# KiCad board CawDrive_panel.kicad_pcb (continued)
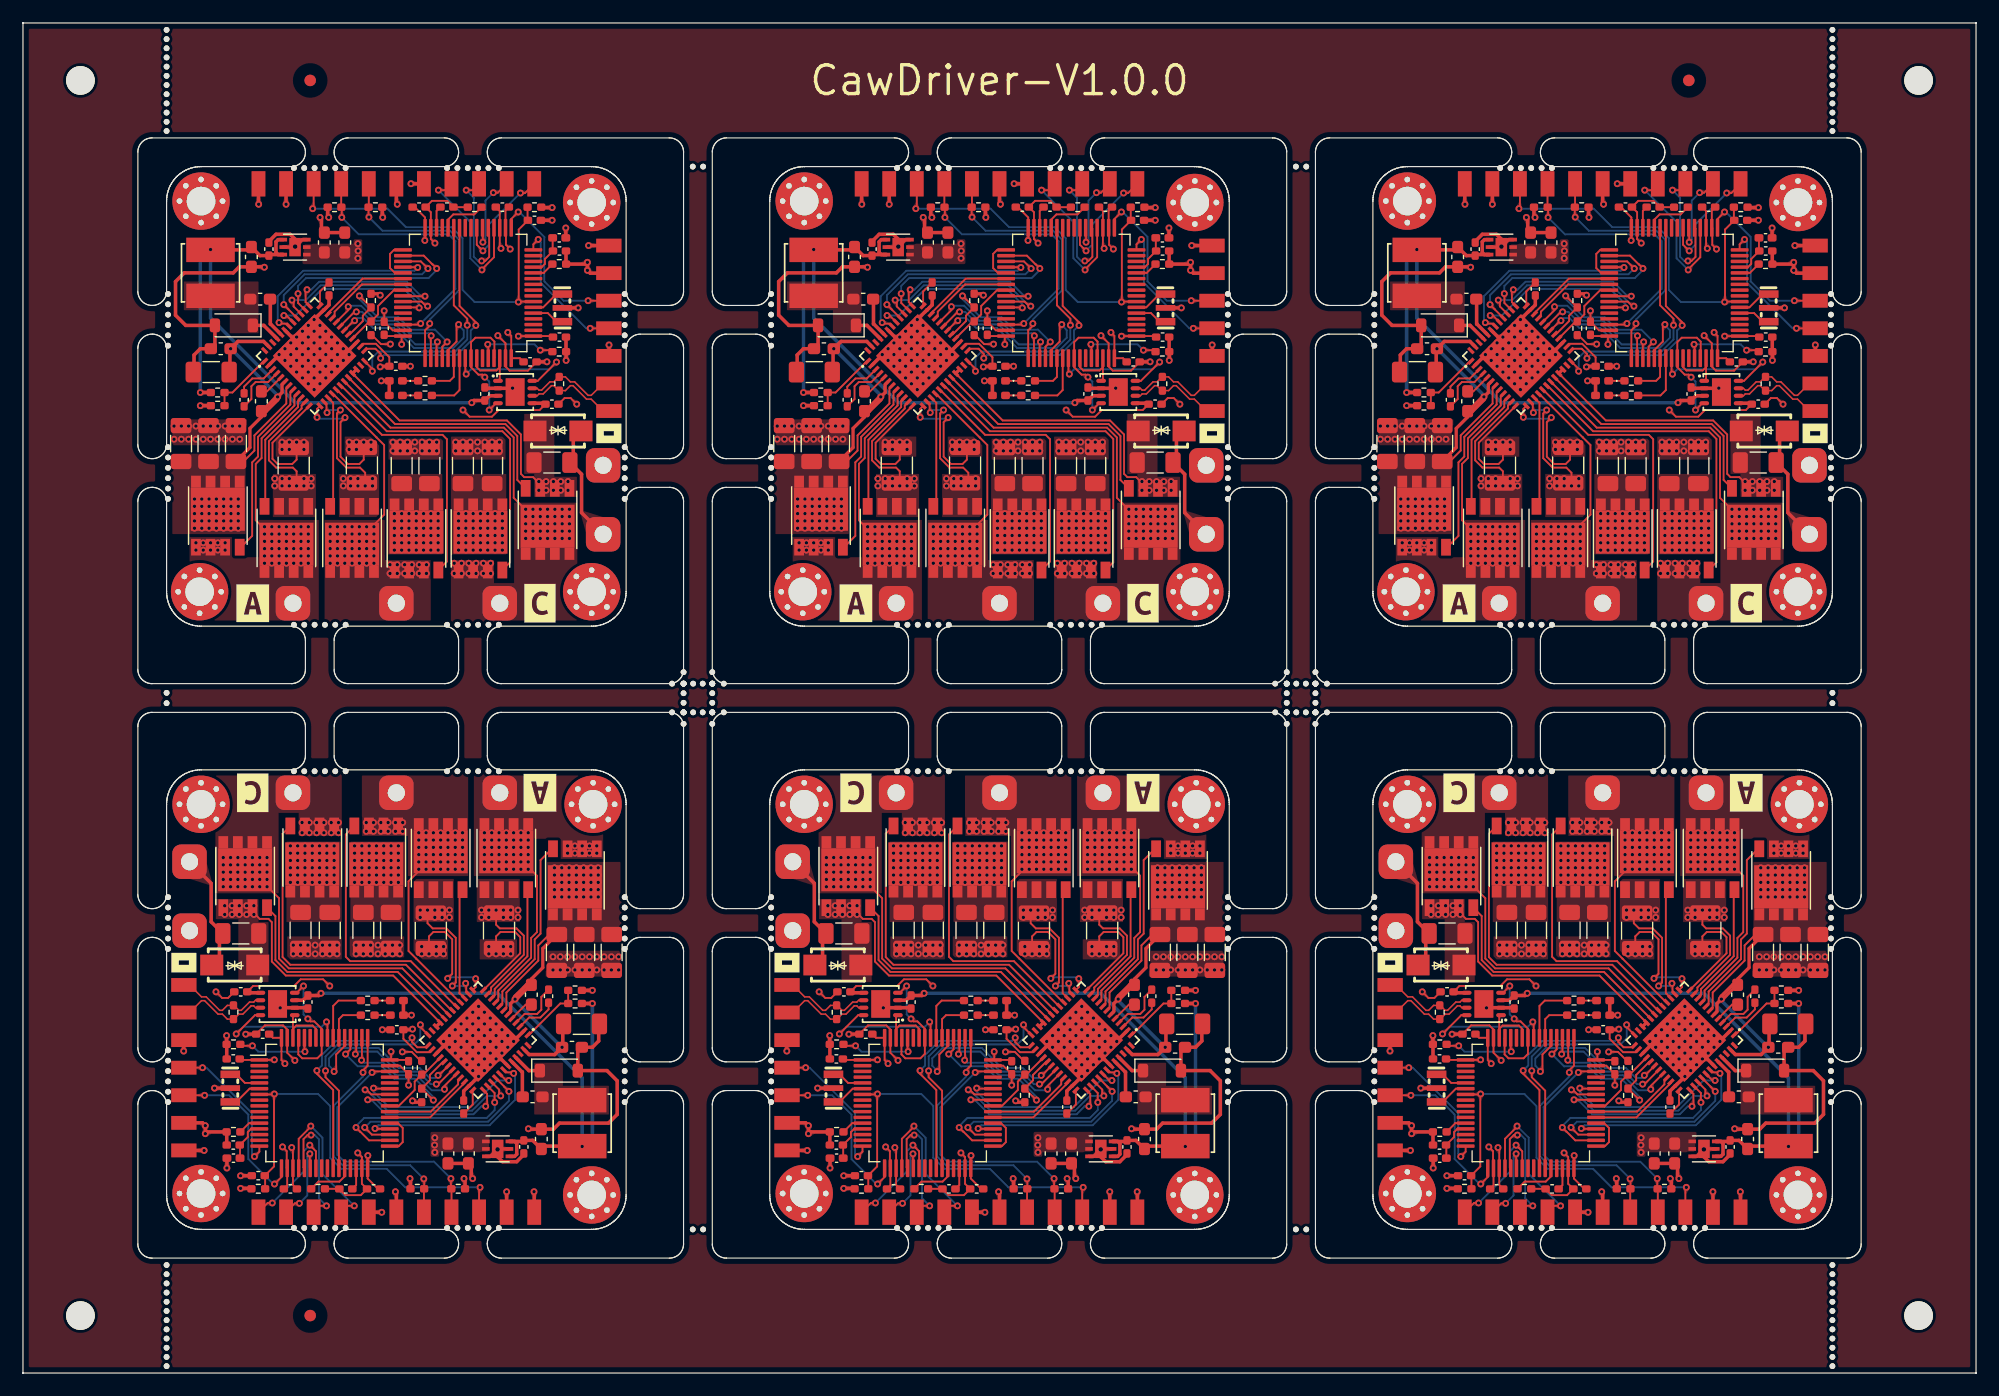
[diagram p0: board, top side]
## Routing (per net, layer and track width the routed paths; a pad name or vN(x,y) marks a point on that pad's centre or on a via; arc(x,y) is an arc through that point) (continued)
Board_0-/SPI3_MOSI: length 16.9
  Top w0.16: U5#2.30 28.81,91.6 v1(28.87,91.6) ; v1(37.92,91.26) 37.74,91.08 37.74,89.77 37,89.03 U1#3.53
  Bottom w0.16: v1(37.92,91.26) 37.92,91.19 38.36,90.75 38.36,90.12 37.45,89.21 34.03,89.21 32.29,90.95 30.48,90.95 29.61,91.81 29.09,91.81 v1(28.87,91.6)
Board_0-/SPI3_NSS: length 12.1
  Top w0.16: v1(35.53,90.28) 35.5,90.24 U1#3.50 ; U5#2.32 28.31,92.51 v1(28.31,92.81)
  Bottom w0.16: v1(28.31,92.81) 28.39,92.89 29.42,92.89 30.73,91.58 32.55,91.58 33.63,90.5 35.31,90.5 v1(35.53,90.28)
Board_0-/SPI3_SCK: length 11.7
  Top w0.16: U1#3.51 36,89.67 v1(36.07,89.74) ; v1(29.02,92.36) 28.86,92.36 27.62,91.12 U5#2.31
  Bottom w0.16: v1(36.07,89.74) 35.85,89.52 34.16,89.52 32.42,91.27 30.6,91.27 29.51,92.36 v1(29.02,92.36)
Board_0-/SWCLK: length 23.1
  Top w0.16: v1(35.4,91.34) 35.4,91.15 35,90.75 U1#3.49 ; J1#6.5 30.1,101.49 R6#2.1 30.08,100.63 v1(30.11,100.6)
  Bottom w0.16: v1(35.4,91.34) 35.4,91.69 37.95,94.23 37.95,98.64 37.17,99.42 31.29,99.42 v1(30.11,100.6)
Board_0-/SWDIO: length 23.7
  Top w0.16: v1(34.61,91.34) 34.52,91.25 U1#3.46 ; v1(27.75,100.58) 27.75,101.43 R5#3.1 27.7,101.48 J1#6.4
  Bottom w0.16: v1(27.75,100.58) 29.22,99.11 37.04,99.11 37.64,98.51 37.64,94.36 v1(34.61,91.34)
Board_0-/TIM1_BKIN: length 3.8
  Top w0.16: U1#3.37 32.37,95.75 31.95,96.17 31.95,97.4 32.29,97.75 U1#3.33
Board_0-/TIM1_PWM_CH1: length 14.6
  Top w0.16: U1#3.41 33.78,93.75 33.81,93.72 v1(34.99,93.72) ; v1(24.72,94.29) 24.6,94.16 24.6,93.2 U5#2.37
  Bottom w0.16: v1(24.72,94.29) 25.09,94.29 25.78,94.98 33.4,94.98 34.66,93.72 v1(34.99,93.72)
Board_0-/TIM1_PWM_CH1N: length 18.5
  Top w0.16: U5#2.38 24.55,92.53 23.95,93.13 23.95,93.94 v1(23.94,93.94) ; U1#3.34 34.88,97.25 35.64,96.49 35.65,96.49 v1(36.01,96.13)
  Bottom w0.16: v1(23.94,93.94) 23.94,94.61 24.62,95.29 35.3,95.29 36.01,96.01 v1(36.01,96.13)
Board_0-/TIM1_PWM_CH2: length 16.9
  Top w0.16: v1(23.42,93.38) 23.56,93.23 23.56,92.83 U5#2.39 ; v1(35.22,92.85) 35.09,92.85 34.69,93.25 U1#3.42
  Bottom w0.16: v1(35.22,92.85) 35.09,92.85 33.28,94.67 25.91,94.67 24.62,93.38 v1(23.42,93.38)
Board_0-/TIM1_PWM_CH2N: length 18.4
  Top w0.16: v1(22.7,92.99) 23.11,92.58 23.11,92.57 U5#2.40 ; v1(35.25,96.13) 34.63,96.75 U1#3.35
  Bottom w0.16: v1(22.7,92.99) 22.7,93.81 24.51,95.62 34.74,95.62 35.24,96.13 v1(35.25,96.13)
Board_0-/TIM1_PWM_CH3: length 16.1
  Top w0.16: U1#3.43 34.44,92.75 v1(34.49,92.7) ; v1(22.71,92.04) 22.93,92.04 U5#2.41
  Bottom w0.16: v1(22.71,92.04) 23.73,92.04 26.04,94.35 33.15,94.35 34.49,93.02 v1(34.49,92.7)
Board_0-/TIM1_PWM_CH3N: length 17.9
  Top w0.16: U1#3.36 34.11,96.25 34.15,96.22 v1(34.36,96.22) ; v1(22.29,91.42) 22.38,91.33 22.94,91.33 U5#2.42
  Bottom w0.16: v1(34.36,96.22) 34.08,95.94 24.38,95.94 22.16,93.72 22.16,91.54 v1(22.29,91.42)
Board_0-/USART2_RX: length 15
  Top w0.16: J4#3.3 49.19,93.33 v1(49.19,93.33) ; U1#3.17 42.5,100.44 v1(43.11,101.05)
  Bottom w0.16: v1(49.19,93.33) 47.06,93.33 45.38,95.01 45.38,98.88 43.21,101.05 v1(43.11,101.05)
Board_0-/USART2_TX: length 12.5
  Top w0.16: v1(49.37,90.93) J4#3.4 ; v1(44.85,98.66) 44.42,98.23 U1#3.16
  Bottom w0.16: v1(44.85,98.66) 45.07,98.44 45.07,94.88 49.02,90.93 v1(49.37,90.93)
Board_0-GND: length 125.8
  Top w0.16: v1(31.44,92.45) C5#5.2 32.18,90.75 U1#3.47 ; v1(44.9,76.83) 44.9,77.47 44.4,77.97 43.63,77.97 43.34,78.26 43.34,81.69 42.12,82.9 32.78,82.9 U5#2.21 ; v1(48.2,84.32) 47.67,84.85 47.14,84.85 C9#5.1 ; R18.2 23.82,80.28 23.82,79.5 23.44,79.12 22.17,79.12 21.72,79.56 21.72,80.97 U5#2.12 ; R3#4.2 37.48,101.47 C1#6.2 36.92,102.02 35.6,102.02 C4#5.2 35.5,101.03 U1#3.31 35.5,98.7 v1(35.86,98.34) ; v1(41.33,90.29) 42,89.62 U1#3.63 42,87.6 42.36,87.24 43.94,87.24 C6.2 ; v1(25.6,83.18) 25.6,83.92 U5#2.13 ; R19#2.2 29.66,80.39 29.66,79.5 29.28,79.12 28.28,79.12 27.64,79.75 27.64,82.76 v1(28.03,83.16) ; C3.2 42,101.18 U1#3.18 42.04,99.63 42.04,98.19 v1(42.41,97.82)
  Top w0.279: C32#3.2 v1(33.72,87.62) ; U5#2.22 U5#2.21
  Top w0.305: U5#2.2 22.29,88.61 v1(22.29,88.64) ; R6#2.2 31.27,100.62 v1(31.31,100.58) ; C7.2 21.41,98.49 22.03,99.11 23.26,99.11 23.68,98.68 U2#3.7 U2#3.5 ; v1(28.39,88.64) 28.39,89.05 U5#2.27 ; C31#4.2 26.64,92.96 U5#2.35 26.18,92.53 v1(25.34,91.69) ; v1(45.61,88.01) 45.61,88 C6.2 ; v1(23.82,90.16) 23.4,90.16 U5#2.43 ; v1(33.77,103.51) 33.78,103.5 J1#6.7 ; C14.2 45.09,100.33 v1(46.06,100.33) ; v1(21.01,96.24) 20.97,96.28 C16#4.2 18.83,96.28 18.3,95.75 14.04,95.75 13.28,94.99 13.28,92.07 14.17,91.18 D3#6.2 16.71,89.5 C33.2 15.44,89.15 14.89,88.6 14.89,87.12 ; C12#3.1 40.28,85.7 U3#2.2 42.6,85.7 v1(42.61,85.72) ; R14#4.2 v1(15.44,84.19) ; v1(48.33,92.7) 46.81,92.7 ; J4#3.5 51.01,88.54 v1(51.01,89.48) ; J4#3.2 49.37,95.73 v1(49.13,95.97) v1(49.13,96.67) 48.97,96.51 R2#2.2 47.27,96.52 C8#3.2 ; v1(47.28,88.13) R1#2.1 47.27,88.9 C2.2 ; 28.01,99.25 26.23,99.25 25.98,99.51 25.98,100.46 v1(25.86,100.58) ; v1(22.9,101.72) J1#6.2 ; U5#2.49 v1(25.34,88.64) ; v2(23.69,98.04) 24.3,98.64 U2#3.3
  In2.Cu w0.813: 20.5,85 20.5,81.5
  Bottom w0.16: v1(25.6,83.18) 25.72,83.05 27.93,83.05 v1(28.03,83.16)
  vias: v1(13.15,82.42) v1(13.15,81.27) v1(13.78,82.42) v1(13.78,81.27) v1(14.42,82.42) v1(14.42,81.27) v1(15.06,82.42) v1(15.06,81.27) v1(15.69,82.42) v1(15.69,81.27) v1(16.33,82.42) v1(16.33,81.27) v1(16.96,82.42) v1(16.96,81.27) v1(17.59,82.42) v1(17.59,81.27) v1(18.23,82.42) v1(18.23,81.27) v1(18.86,82.42) v1(18.86,81.27) v1(22.55,81.02) v1(22.55,80.38) v1(22.8,89.15) v1(22.8,88.13) v1(23.18,81.02) v1(23.18,80.38) v1(23.31,89.66) v1(23.31,88.64) v1(23.31,87.62) v1(23.82,89.15) v1(23.82,88.13) v1(23.82,87.12) v1(23.82,81.02) v1(24.33,90.67) v1(24.33,89.66) v1(24.33,88.64) v1(24.33,87.62) v1(24.33,86.61) v1(24.45,81.02) v1(24.45,80.38) v1(24.83,91.18) v1(24.83,90.16) v1(24.83,89.15) v1(24.83,88.13) v1(24.83,87.12) v1(24.83,86.1) v1(25.34,90.67) v1(25.34,89.66) v1(25.34,87.62) v1(25.34,86.61) v1(25.34,85.59) v1(25.85,91.18) v1(25.85,90.16) v1(25.85,89.15) v1(25.85,88.13) v1(25.85,87.12) v1(25.85,86.1) v1(26.36,90.67) v1(26.36,89.66) v1(26.36,88.64) v1(26.36,87.62) v1(26.36,86.61) v1(26.87,90.16) v1(26.87,89.15) v1(26.87,88.13) v1(26.87,87.12) v1(27.37,89.66) v1(27.37,88.64) v1(27.37,87.62) v1(27.88,89.15) v1(27.88,88.13) v1(28.39,81.02) v1(28.39,80.38) v1(29.03,81.02) v1(29.03,80.38) v1(29.66,81.02) v1(30.3,81.02) v1(30.3,80.38) v1(32.2,81.02) v1(32.2,80.26) v1(32.83,81.02) v1(32.83,80.26) v1(33.47,81.02) v1(33.47,80.26) v1(34.11,81.02) v1(34.11,80.26) v1(34.74,81.02) v1(34.74,80.26) v1(35.38,81.02) v1(35.38,80.26) v1(36.01,81.02) v1(36.01,80.26) v1(37.66,81.02) v1(37.66,80.26) v1(38.3,81.02) v1(38.3,80.26) v1(38.93,81.02) v1(38.93,80.26) v1(39.57,81.02) v1(39.57,80.26) v1(40.2,81.02) v1(40.2,80.26) v1(40.84,81.02) v1(40.84,80.26) v1(41.47,81.02) v1(41.47,80.26) v1(44.9,77.59) v1(45.53,77.59) v1(45.53,76.83) v1(46.17,77.59) v1(46.17,76.83) v1(46.81,77.59) v1(46.81,76.83) v1(47.44,77.59) v1(47.44,76.83)
Board_0-Net-(D1-K): length 1.4
  Top w0.16: D1#2.1 R9#2.1
Board_0-Net-(D2-K): length 1.4
  Top w0.16: D2#5.1 R11#6.1
Board_0-Net-(U1-BOOT0): length 7.1
  Top w0.16: v1(45.03,89.02) 45.95,89.02 R1#2.2 ; U1#3.60 40.5,89.48 v1(40.45,89.53)
  Bottom w0.16: v1(45.03,89.02) 44.52,89.53 v1(40.45,89.53)
Board_0-Net-(U1-PB2): length 4.1
  Top w0.16: U1#3.28 37,100.38 37.46,100.84 39.28,100.84 R3#4.1
Board_0-Net-(U1-VCAP_1): length 1.9
  Top w0.16: C1#6.1 36,101.15 U1#3.30
Board_0-Net-(U1-VSSA): length 2
  Top w0.16: R2#2.1 45.32,95.75 U1#3.12
Board_0-Net-(U5-CPH): length 4.7
  Top w0.16: C27#5.2 19.88,84.77 19.88,85.88 20.25,86.25 21.35,86.25 U5#2.4
Board_0-Net-(U5-CPL): length 3.7
  Top w0.16: U5#2.3 20.95,86.56 19.96,86.56 19.25,85.85 C27#5.1
Board_0-Net-(U5-DVDD): length 2.4
  Top w0.16: C31#4.1 25.85,94.13 U5#2.36
Board_0-Net-(U5-VCP): length 2.2
  Top w0.16: U5#2.5 21.24,85.44 C28#6.2
Board_1-+3.3V: length 43
  Top w0.16: v1(85.46,89.53) 85.46,90.14 U1#2.48 84.05,90.25 C5#2.1 ; C3#3.1 94,101.13 U1#2.19 94,97.99 v1(94.11,97.88) ; v1(95.62,90.24) 95.63,90.25 U1#2.1 98.54,90.25 C2#5.1 ; v1(87.48,98.57) 87.5,98.59 U1#2.32 87.5,100.57 86.59,101.48 C4.1 ; C9#4.2 97.47,83.81 93.9,83.81 93.32,83.23 91.38,83.23 v1(90.8,83.81) ; R17#3.1 82.88,90.33 83.66,89.55 v1(84.48,89.55) ; U5#6.26 82.12,89.58 83.22,89.58 84.39,88.41 C32.1 ; v1(94.7,90.57) 95,90.27 U1#2.64 95.75,88.33 C6#4.1
  Top w0.279: R16#5.1 83.47,93.94 v1(83.6,93.81) ; C32.1 83.64,87.62 v1(83.59,87.57)
  Top w0.305: J4.1 101.73,98.13 v1(101.73,98.13) ; v1(79.11,100.58) 79.02,100.67 R5#4.2 ; R10.1 97.65,101.43 v1(98.56,101.43) ; C9#4.2 97.89,84.4 U3#4.5 ; v1(85.08,101.72) 85,101.8 J1#4.6 ; L1.1 v1(99.75,99.66) ; D1#5.2 D2#2.2 ; v1(73.02,101.72) 73,101.74 J1#4.1 ; v1(83.68,86.35) 84.43,86.35
  vias: v1(81.65,98.29) v1(81.67,97.66) v1(81.65,97.02)
Board_1-+3.3VA: length 3.7
  Top w0.16: U1#2.13 97.65,96.25 97.93,96.53 97.93,96.96 C8#5.1 98.61,97.68 L1.2
Board_1-+5V: length 57.2
  Top w0.305: v1(91.56,84.45) 91.75,84.64 C12#5.2 93.11,85.05 U3#4.3 ; U2#6.4 74.71,98.64 74.52,98.46 74.52,97.53 74.71,97.34 U2#6.6 73.99,97.34 73.91,97.25 73.13,97.25 C16#6.1 72.13,97.75 L2#2.2 v1(68.82,97.78) ; R13#2.1 v1(67.94,85.34)
  Bottom w0.305: v1(67.94,85.34) 67.94,96.9 v1(68.82,97.78) 68.82,91.81 76.19,84.45 v1(91.56,84.45)
Board_1-+36V: length 42.7
  Top w0.16: U5#6.7 75.42,85.7 75.42,84.38 72.65,81.61 72.65,80.29 71.69,79.33 C20#3.1 ; 71.03,78.95 71.7,78.95
  Top w0.279: U5#6.6 75.05,86.04 75.05,85.34 v1(74.67,84.96) 74.54,84.96 73.3,83.71 C28#5.1 73.25,83.21 72.25,82.21 72.25,80.55 C20#3.1
  Top w0.305: 73.3,83.71 73.68,83.71 74.67,84.7 v1(74.67,84.96) ; TV1#4.1 100.4,81.32 100.4,79.54 C29#5.1 101.12,78.23 101.12,74.88 H9#5.1 ; U5#6.47 73.45,89.78 71.21,89.78 v1(70.58,89.15) 70.51,89.09 70.51,87.12
  Bottom w0.305: v1(70.58,89.15) 70.6,89.15 74.67,85.08 v1(74.67,84.96)
  vias: v1(67.43,76.07) v1(67.43,75.43) v1(67.43,74.8) v1(67.43,74.16) v1(67.43,73.53) v1(68.06,76.07) v1(68.06,75.43) v1(68.06,74.8) v1(68.06,74.16) v1(68.06,73.53) v1(68.7,76.07) v1(68.7,75.43) v1(68.7,74.8) v1(68.7,74.16) v1(68.7,73.53) v1(69.33,76.07) v1(69.33,75.43) v1(69.33,74.8) v1(69.33,74.16) v1(69.33,73.53) v1(69.97,76.07) v1(69.97,75.43) v1(69.97,74.8) v1(69.97,74.16) v1(69.97,73.53) v1(70.6,76.07) v1(70.6,75.43) v1(70.6,74.8) v1(70.6,74.16) v1(70.6,73.53) v1(71.24,76.07) v1(71.24,75.43) v1(71.24,74.8) v1(71.24,74.16) v1(71.24,73.53) v1(84.83,74.8) v1(84.83,74.16) v1(84.83,73.53) v1(84.83,72.89) v1(84.83,72.26) v1(84.83,71.62) v1(85.46,74.8) v1(85.46,74.16) v1(85.46,73.53) v1(85.46,72.89) v1(85.46,72.26) v1(85.46,71.62) v1(86.1,74.8) v1(86.1,74.16) v1(86.1,73.53) v1(86.1,72.89) v1(86.1,72.26) v1(86.1,71.62) v1(86.73,74.8) v1(86.73,74.16) v1(86.73,73.53) v1(86.73,72.89) v1(86.73,72.26) v1(86.73,71.62) v1(87.37,74.8) v1(87.37,74.16) v1(87.37,73.53) v1(87.37,72.89) v1(87.37,72.26) v1(87.37,71.62) v1(88,74.8) v1(88,74.16) v1(88,73.53) v1(88,72.89) v1(88,72.26) v1(88,71.62) v1(88.64,74.8) v1(88.64,74.16) v1(88.64,73.53) v1(88.64,72.89) v1(88.64,72.26) v1(88.64,71.62) v1(90.41,74.8) v1(90.41,74.16) v1(90.41,73.53) v1(90.41,72.89) v1(90.41,72.26) v1(90.41,71.62) v1(91.05,74.8) v1(91.05,74.16) v1(91.05,73.53) v1(91.05,72.89) v1(91.05,72.26) v1(91.05,71.62) v1(91.69,74.8) v1(91.69,74.16) v1(91.69,73.53) v1(91.69,72.89) v1(91.69,72.26) v1(91.69,71.62) v1(92.32,74.8) v1(92.32,74.16) v1(92.32,73.53) v1(92.32,72.89) v1(92.32,72.26) v1(92.32,71.62) v1(92.96,74.8) v1(92.96,74.16) v1(92.96,73.53) v1(92.96,72.89) v1(92.96,72.26) v1(92.96,71.62) v1(93.59,74.8) v1(93.59,74.16) v1(93.59,73.53) v1(93.59,72.89) v1(93.59,72.26) v1(93.59,71.62) v1(94.22,74.8) v1(94.22,74.16) v1(94.22,73.53) v1(94.22,72.89) v1(94.22,72.26) v1(94.22,71.62)
Board_1-/ADC1_IN8: length 21.1
  Top w0.16: U5#6.25 82.4,89.15 83.18,89.15 83.63,88.69 v1(83.63,88.32) ; U1#2.26 90.5,92.87 91.92,91.45 v1(91.92,91.18)
  Bottom w0.16: v1(83.63,88.32) 83.9,88.59 90.25,88.59 91.48,89.82 91.48,90.74 v1(91.92,91.18)
Board_1-/ADC1_IN9: length 21.5
  Top w0.16: v1(82.91,87.19) 82.91,87.39 U5#6.24 ; v1(91.17,91.2) 91.17,91.76 90,92.93 U1#2.27
  Bottom w0.16: v1(91.17,91.2) 91.17,89.95 90.12,88.9 83.44,88.9 82.91,88.37 v1(82.91,87.19)
Board_1-/CAN_N: length 8.3
  Top w0.129: J4.7 103,83.73 101.96,84.76 101.55,84.76 100.38,85.93 100.15,85.93 99.71,85.5 R8.1 99.14,85.5 98.71,85.93 98.5,85.93 97.78,85.21 97.41,85.21 97.25,85.05 U3#4.6
Board_1-/CAN_P: length 8.3
  Top w0.129: J4.6 103,86.13 101.96,85.09 101.69,85.09 100.52,86.27 100.15,86.27 99.71,86.7 R8.2 99.14,86.7 98.71,86.27 98.36,86.27 97.64,85.55 97.41,85.55 97.25,85.7 U3#4.7
Board_1-/CAN_RX: length 11.6
  Top w0.16: v1(92.7,86.67) 92.48,86.89 92.14,86.89 91.5,87.54 U1#2.57 91.5,89.72 91.88,90.11 93.2,90.11 93.54,89.77 93.54,88.36 U1#2.61 ; v1(93.08,83.81) 93.67,84.4 U3#4.4
  Bottom w0.16: v1(92.7,86.67) 93.08,86.29 v1(93.08,83.81)
Board_1-/CAN_STB: length 12.5
  Top w0.16: U3#4.8 97.3,86.35 v1(98.94,87.99) ; v1(91.08,86.94) 91,87.02 U1#2.56
  Bottom w0.16: v1(98.94,87.99) 98.31,87.36 91.5,87.36 v1(91.08,86.94)
Board_1-/CAN_TX: length 5.8
  Top w0.16: U3#4.1 94,86.51 U1#2.62 94,87.55 93.71,87.25 92.29,87.25 92,87.55 U1#2.58
Board_1-/DRV8323RSRGZR/CB: length 3.5
  Top w0.305: U5#6.44 74.05,91.31 74.03,91.31 74.03,93.44 C15#3.1
Board_1-/DRV8323RSRGZR/FB: length 5.8
  Top w0.16: U5#6.1 73.45,88.06 70.73,85.34 R13#2.2 R14#5.1
Board_1-/DRV8323RSRGZR/GHA: length 15.7
  Top w0.16: U5#6.8 75.77,85.35 75.77,84.29 72.96,81.48 72.96,79.77 72.45,79.26 72.45,72.86 71.47,71.88 Q7.4
Board_1-/DRV8323RSRGZR/GHB: length 23.1
  Top w0.16: U5#6.17 79.81,85.59 83.74,81.66 89.02,81.66 89.4,81.27 89.4,70.63 Q9#3.4
Board_1-/DRV8323RSRGZR/GHC: length 28.4
  Top w0.16: Q11#6.4 94.9,70.57 94.9,81.3 94.23,81.97 84.17,81.97 80.19,85.94 U5#6.18
Board_1-/DRV8323RSRGZR/GLA: length 10.8
  Top w0.16: U5#6.10 76.44,84.6 76.44,84.08 73.59,81.23 73.59,75.5 Q8#4.4
Board_1-/DRV8323RSRGZR/GLB: length 9.7
  Top w0.16: U5#6.15 79.5,84.44 79.5,75.69 Q10.4
Board_1-/DRV8323RSRGZR/GLC: length 21.7
  Top w0.16: U5#6.20 84.88,82.59 94.49,82.59 95.53,81.56 95.53,77.73 Q12#6.4
Board_1-/DRV8323RSRGZR/PHASA: length 17.5
  Top w0.16: 75.56,72.13 v1(75.43,72.38) 74.98,72.13 74.79,72.31 v1(74.79,72.38) 74.72,72.38 74.16,72.95 v1(74.16,73.02) 74.09,73.02 73.52,73.59 v1(73.52,73.65) 73.46,73.65 ; 75.3,71.39 v1(75.43,71.11) v1(75.43,71.75) 75.3,71.81 ; 73.33,73.65 72.76,74.22 72.76,79.13 73.27,79.64 73.27,81.35 76.13,84.21 76.13,85 U5#6.9
  vias: v1(67.56,72.26) v1(67.56,71.62) v1(68.19,72.26) v1(68.19,71.62) v1(68.82,72.26) v1(68.82,71.62) v1(69.46,72.26) v1(69.46,71.62) v1(70.09,72.26) v1(70.09,71.62) v1(73.52,73.02) v1(73.52,72.38) v1(73.52,71.75) v1(73.52,71.11) v1(73.52,70.48) v1(74.16,73.65) v1(74.16,72.38) v1(74.16,71.75) v1(74.16,71.11) v1(74.16,70.48) v1(74.79,73.65) v1(74.79,73.02) v1(74.79,71.75) v1(74.79,71.11) v1(74.79,70.48) v1(75.43,73.65) v1(75.43,73.02) v1(75.43,70.48) v1(76.06,73.65) v1(76.06,73.02) v1(76.06,72.38) v1(76.06,71.75) v1(76.06,71.11) v1(76.06,70.48) v1(76.7,73.65) v1(76.7,73.02) v1(76.7,72.38) v1(76.7,71.75) v1(76.7,71.11) v1(76.7,70.48) v1(77.33,73.65) v1(77.33,73.02) v1(77.33,72.38) v1(77.33,71.75) v1(77.33,71.11) v1(77.33,70.48)
Board_1-/DRV8323RSRGZR/PHASB: length 17.5
  Top w0.16: U5#6.16 79.47,85.23 83.27,81.43 83.27,81.43 83.94,80.77 83.94,74.71 83.05,73.82 v1(83.05,73.65) v1(82.41,73.65) v1(82.41,73.02) v1(81.78,73.02) v1(81.78,72.38) 81.62,72.38 81.36,72.13 v1(81.14,72.38) Q10.9
  vias: v1(79.24,73.65) v1(79.24,73.02) v1(79.24,72.38) v1(79.24,71.75) v1(79.24,71.11) v1(79.24,70.48) v1(79.87,73.65) v1(79.87,73.02) v1(79.87,72.38) v1(79.87,71.75) v1(79.87,71.11) v1(79.87,70.48) v1(80.51,73.65) v1(80.51,73.02) v1(80.51,72.38) v1(80.51,71.75) v1(80.51,71.11) v1(80.51,70.48) v1(81.14,73.65) v1(81.14,73.02) v1(81.14,71.75) v1(81.14,71.11) v1(81.14,70.48) v1(81.78,73.65) v1(81.78,71.75) v1(81.78,71.11) v1(81.78,70.48) v1(82.41,72.38) v1(82.41,71.75) v1(82.41,71.11) v1(82.41,70.48) v1(83.05,73.02) v1(83.05,72.38) v1(83.05,71.75) v1(83.05,71.11) v1(83.05,70.48) v1(84.45,70.35) v1(84.45,69.59) v1(85.08,70.35) v1(85.08,69.59) v1(85.72,70.35) v1(85.72,69.59) v1(86.35,70.35) v1(86.35,69.59) v1(86.99,70.35) v1(86.99,69.59) v1(87.62,70.35) v1(87.62,69.59)
Board_1-/DRV8323RSRGZR/PHASC: length 26.3
  Top w0.16: U5#6.19 84.49,82.28 94.36,82.28 95.21,81.43 95.21,76.17 96.21,75.18 v1(96.26,75.18) 96.26,75.13 96.84,74.54 v1(96.89,74.54) 96.89,74.5 97.48,73.91 v1(97.53,73.91) 97.53,73.86 97.69,73.7 v1(98.16,73.91) Q12#6.9
  vias: v1(90.03,70.48) v1(90.03,69.59) v1(90.67,70.48) v1(90.67,69.59) v1(91.3,70.48) v1(91.3,69.59) v1(91.94,70.48) v1(91.94,69.59) v1(92.57,70.48) v1(92.57,69.59) v1(93.21,70.48) v1(93.21,69.59) v1(96.26,74.54) v1(96.26,73.91) v1(96.26,73.27) v1(96.26,72.64) v1(96.89,75.18) v1(96.89,73.91) v1(96.89,73.27) v1(96.89,72.64) v1(97.53,75.18) v1(97.53,74.54) v1(97.53,73.27) v1(97.53,72.64) v1(98.16,75.18) v1(98.16,74.54) v1(98.16,73.27) v1(98.16,72.64) v1(98.8,75.18) v1(98.8,74.54) v1(98.8,73.91) v1(98.8,73.27) v1(98.8,72.64) v1(99.43,75.18) v1(99.43,74.54) v1(99.43,73.91) v1(99.43,73.27) v1(99.43,72.64) v1(100.07,75.18) v1(100.07,74.54) v1(100.07,73.91) v1(100.07,73.27) v1(100.07,72.64)
Board_1-/DRV8323RSRGZR/SPA: length 11.2
  Top w0.16: 76.06,77.59 v1(76.32,77.21) R18#6.1 76.32,77.69 76.32,78.48 76,78.8 74.54,78.8 73.91,79.44 73.91,81.1 76.75,83.95 76.75,84.21 U5#6.11
  vias: v1(74.41,77.84) v1(74.41,77.21) v1(75.05,77.84) v1(75.05,77.21) v1(75.68,77.84) v1(75.68,77.21) v1(76.95,77.84) v1(76.95,77.21) v1(77.59,77.84) v1(77.59,77.21)
Board_1-/DRV8323RSRGZR/SPB: length 10.6
  Top w0.16: v1(78.97,83.58) 78.92,83.63 78.92,84.31 U5#6.14 ; R19#3.1 82.29,77.74 82.29,78.35 81.84,78.8 80.65,78.8 79.83,79.62 79.83,83.51 v1(80.13,83.81)
  Bottom w0.16: v1(78.97,83.58) 79.2,83.81 v1(80.13,83.81)
  vias: v1(80.38,77.84) v1(80.38,77.21) v1(81.02,77.84) v1(81.02,77.21) v1(81.65,77.84) v1(81.65,77.21) v1(82.29,77.21) v1(82.92,77.84) v1(82.92,77.21)
Board_1-/DRV8323RSRGZR/SW: length 2.6
  Top w0.305: U5#6.45 74.59,90.05 73.46,91.18 D3#5.1
Board_1-/DRV_CAL: length 7.8
  Top w0.16: U5#6.34 79.06,92.25 82.06,95.25 U1#2.38
Board_1-/DRV_ENABLE: length 7.6
  Top w0.16: U1#2.39 82,94.75 79.63,92.37 79.63,92.03 U5#6.33
Board_1-/DRV_FAULT: length 6.6
  Top w0.16: U5#6.28 82.65,91.52 R17#3.2 83.41,92.13 83.41,92.87 84.79,94.25 U1#2.40
Board_1-/DRV_STA: length 5.4
  Top w0.16: U1#2.55 90.5,85.55 90.03,85.08 R11.2
Board_1-/HSE_IN: length 2.8
  Top w0.16: X1#5.1 98.93,91.5 98.18,92.25 U1#2.5
Board_1-/HSE_OUT: length 3
  Top w0.16: U1#2.6 97.77,92.75 98.93,93.9 X1#5.3
Board_1-/MCU_STA: length 3.7
  Top w0.16: R9.2 89.65,86.35 90,86.7 U1#2.54
Board_1-/RESET: length 36
  Top w0.16: U1#2.7 95.66,93.25 v1(95.62,93.21) 95.65,93.24 95.65,99.52 C14#4.1 96.42,100.35 R10.2 ; v1(77.72,101.34) 77.8,101.42 J1#4.3
  Bottom w0.16: v1(77.72,101.34) 84.22,101.34 85.83,99.73 89.8,99.73 90.76,98.77 90.76,94.26 91.81,93.21 v1(95.62,93.21)
Board_1-/SPI1_MISO: length 7.4
  Top w0.16: U1#2.22 92.53,99.64 v1(92.53,98.42) ; v1(93.44,102.73) 93.83,102.73 J1#4.10
  Bottom w0.16: v1(92.53,98.42) 92.75,98.64 92.75,102.04 v1(93.44,102.73)
Board_1-/SPI1_MOSI: length 10.1
  Top w0.16: v1(92.54,97.67) 92.32,97.89 92.31,97.89 92,98.2 U1#2.23 ; v1(95.8,102.7) 96.2,102.7 J1#4.11
  Bottom w0.16: v1(95.8,102.7) 93.06,99.96 93.06,98.2 v1(92.54,97.67)
Board_1-/SPI1_NSS: length 14
  Top w0.16: U1#2.20 93.5,97.12 92.45,96.06 v1(92.45,96.01) ; J1#4.8 89.25,102.95 v1(88.66,102.95)
  Bottom w0.16: v1(88.66,102.95) 91.43,100.18 91.43,97.02 v1(92.45,96.01)
Board_1-/SPI1_SCK: length 11.6
  Top w0.16: v1(92.42,96.79) 92.73,96.79 93.08,97.14 93.08,99.59 U1#2.21 ; J1#4.9 91.65,102.95 v1(91.08,102.95)
  Bottom w0.16: v1(91.08,102.95) 91.74,102.29 91.74,97.15 92.1,96.79 v1(92.42,96.79)
Board_1-/SPI3_MISO: length 15.7
  Top w0.16: U1#2.52 89,89.32 v1(89.42,89.74) ; v1(81.78,93.75) 81.79,93.75 R16#5.2 82.08,92.03 82.08,91.55 80.93,90.4 U5#6.29
  Bottom w0.16: v1(81.78,93.75) 81.78,93.47 83.36,91.89 85.18,91.89 86.26,90.81 88.36,90.81 v1(89.42,89.74)
Board_1-/SPI3_MOSI: length 16.9
  Top w0.16: v1(81.37,91.6) 81.31,91.6 U5#6.30 ; v1(90.42,91.26) 90.24,91.08 90.24,89.77 89.5,89.03 U1#2.53
  Bottom w0.16: v1(90.42,91.26) 90.42,91.19 90.86,90.75 90.86,90.12 89.95,89.21 86.53,89.21 84.79,90.95 82.98,90.95 82.11,91.81 81.59,91.81 v1(81.37,91.6)
Board_1-/SPI3_NSS: length 12.1
  Top w0.16: v1(80.81,92.81) 80.81,92.51 U5#6.32 ; U1#2.50 88,90.24 v1(88.03,90.28)
  Bottom w0.16: v1(80.81,92.81) 80.89,92.89 81.92,92.89 83.23,91.58 85.05,91.58 86.13,90.5 87.81,90.5 v1(88.03,90.28)
Board_1-/SPI3_SCK: length 11.7
  Top w0.16: U1#2.51 88.5,89.67 v1(88.57,89.74) ; U5#6.31 80.12,91.12 81.36,92.36 v1(81.52,92.36)
  Bottom w0.16: v1(88.57,89.74) 88.35,89.52 86.66,89.52 84.92,91.27 83.1,91.27 82.01,92.36 v1(81.52,92.36)
Board_1-/SWCLK: length 23.1
  Top w0.16: v1(87.9,91.34) 87.9,91.15 87.5,90.75 U1#2.49 ; J1#4.5 82.6,101.49 R6#6.1 82.58,100.63 v1(82.61,100.6)
  Bottom w0.16: v1(82.61,100.6) 83.79,99.42 89.67,99.42 90.45,98.64 90.45,94.23 87.9,91.69 v1(87.9,91.34)
Board_1-/SWDIO: length 23.7
  Top w0.16: v1(87.11,91.34) 87.02,91.25 U1#2.46 ; J1#4.4 80.2,101.48 R5#4.1 80.25,101.43 v1(80.25,100.58)
  Bottom w0.16: v1(87.11,91.34) 90.14,94.36 90.14,98.51 89.54,99.11 81.72,99.11 v1(80.25,100.58)
Board_1-/TIM1_BKIN: length 3.8
  Top w0.16: U1#2.37 84.87,95.75 84.45,96.17 84.45,97.4 84.79,97.75 U1#2.33
Board_1-/TIM1_PWM_CH1: length 14.6
  Top w0.16: U5#6.37 77.1,93.2 77.1,94.16 v1(77.22,94.29) ; v1(87.49,93.72) 86.31,93.72 86.28,93.75 U1#2.41
  Bottom w0.16: v1(77.22,94.29) 77.59,94.29 78.28,94.98 85.9,94.98 87.16,93.72 v1(87.49,93.72)
Board_1-/TIM1_PWM_CH1N: length 18.5
  Top w0.16: v1(76.44,93.94) 76.45,93.94 76.45,93.13 77.05,92.53 U5#6.38 ; v1(88.51,96.13) 88.15,96.49 88.14,96.49 87.38,97.25 U1#2.34
  Bottom w0.16: v1(76.44,93.94) 76.44,94.61 77.12,95.29 87.8,95.29 88.51,96.01 v1(88.51,96.13)
Board_1-/TIM1_PWM_CH2: length 16.9
  Top w0.16: U5#6.39 76.06,92.83 76.06,93.23 v1(75.92,93.38) ; U1#2.42 87.19,93.25 87.59,92.85 v1(87.72,92.85)
  Bottom w0.16: v1(75.92,93.38) 77.12,93.38 78.41,94.67 85.78,94.67 87.59,92.85 v1(87.72,92.85)
Board_1-/TIM1_PWM_CH2N: length 18.4
  Top w0.16: U1#2.35 87.13,96.75 v1(87.75,96.13) ; v1(75.2,92.99) 75.61,92.58 75.61,92.57 U5#6.40
  Bottom w0.16: v1(87.75,96.13) 87.74,96.13 87.24,95.62 77.01,95.62 75.2,93.81 v1(75.2,92.99)
Board_1-/TIM1_PWM_CH3: length 16.1
  Top w0.16: U5#6.41 75.43,92.04 v1(75.21,92.04) ; U1#2.43 86.94,92.75 v1(86.99,92.7)
  Bottom w0.16: v1(86.99,92.7) 86.99,93.02 85.65,94.35 78.54,94.35 76.23,92.04 v1(75.21,92.04)
Board_1-/TIM1_PWM_CH3N: length 17.9
  Top w0.16: v1(86.86,96.22) 86.65,96.22 86.62,96.25 U1#2.36 ; U5#6.42 75.44,91.33 74.88,91.33 v1(74.79,91.42)
  Bottom w0.16: v1(86.86,96.22) 86.58,95.94 76.88,95.94 74.66,93.72 74.66,91.54 v1(74.79,91.42)
Board_1-/USART2_RX: length 15
  Top w0.16: J4.3 101.69,93.33 v1(101.69,93.33) ; v1(95.61,101.05) 95,100.44 U1#2.17
  Bottom w0.16: v1(95.61,101.05) 95.71,101.05 97.88,98.88 97.88,95.01 99.56,93.33 v1(101.69,93.33)
Board_1-/USART2_TX: length 12.5
  Top w0.16: v1(101.87,90.93) J4.4 ; v1(97.35,98.66) 96.93,98.23 U1#2.16
  Bottom w0.16: v1(101.87,90.93) 101.52,90.93 97.57,94.88 97.57,98.44 v1(97.35,98.66)
Board_1-GND: length 125.8
  Top w0.16: R19#3.2 82.16,80.39 82.16,79.5 81.78,79.12 80.78,79.12 80.14,79.75 80.14,82.76 v1(80.53,83.16) ; U1#2.47 84.68,90.75 C5#2.2 v1(83.94,92.45) ; U5#6.12 74.22,80.97 74.22,79.56 74.67,79.12 75.94,79.12 76.32,79.5 76.32,80.28 R18#6.2 ; v1(78.1,83.18) 78.1,83.92 U5#6.13 ; C6#4.2 96.44,87.24 94.86,87.24 94.5,87.6 U1#2.63 94.5,89.62 v1(93.83,90.29) ; v1(88.36,98.34) 88,98.7 U1#2.31 88,101.03 C4.2 88.1,102.02 89.42,102.02 C1#5.2 89.98,101.47 R3.2 ; U5#6.21 85.28,82.9 94.62,82.9 95.84,81.69 95.84,78.26 96.13,77.97 96.9,77.97 97.4,77.47 v1(97.4,76.83) ; C9#4.1 99.64,84.85 100.17,84.85 v1(100.7,84.32) ; v1(94.91,97.82) 94.54,98.19 94.54,99.63 U1#2.18 94.5,101.18 C3#3.2
  Top w0.279: U5#6.22 U5#6.21 ; C32.2 v1(86.22,87.62)
  Top w0.305: v1(73.51,96.24) 73.47,96.28 C16#6.2 71.33,96.28 70.8,95.75 66.54,95.75 65.78,94.99 65.78,92.07 66.67,91.18 D3#5.2 69.21,89.5 C33#3.2 67.94,89.15 67.39,88.6 67.39,87.12 ; C14#4.2 97.59,100.33 v1(98.56,100.33) ; v1(76.32,90.16) 75.9,90.16 U5#6.43 ; J4.5 103.51,88.54 v1(103.51,89.48) ; C12#5.1 92.78,85.7 U3#4.2 95.1,85.7 v1(95.11,85.72) ; J4.2 101.87,95.73 v1(101.63,95.97) v1(101.63,96.67) 101.47,96.51 R2#5.2 99.77,96.52 C8#5.2 ; U5#6.49 v1(77.84,88.64) ; R14#5.2 v1(67.94,84.19) ; v1(75.4,101.72) J1#4.2 ; v1(86.27,103.51) 86.28,103.5 J1#4.7 ; v1(83.81,100.58) 83.77,100.62 R6#6.2 ; v1(74.79,88.64) 74.79,88.61 U5#6.2 ; v1(99.78,88.13) R1#3.1 99.77,88.9 C2#5.2 ; C7#5.2 73.91,98.49 74.53,99.11 75.76,99.11 76.18,98.68 U2#6.7 U2#6.5 ; C6#4.2 98.1,88 v1(98.11,88.01) ; v2(76.19,98.04) 76.8,98.64 U2#6.3 ; v1(78.36,100.58) 78.48,100.46 78.48,99.51 78.73,99.25 80.51,99.25 ; C31#5.2 79.14,92.96 U5#6.35 78.68,92.53 v1(77.84,91.69) ; U5#6.27 80.89,89.05 v1(80.89,88.64) ; v1(100.83,92.7) 99.31,92.7
  In2.Cu w0.813: 73,85 73,81.5
  Bottom w0.16: v1(80.53,83.16) 80.43,83.05 78.22,83.05 v1(78.1,83.18)